# Altium PCB Mixed Signal Board Project.PcbDoc (part 1 of 3) (continued)
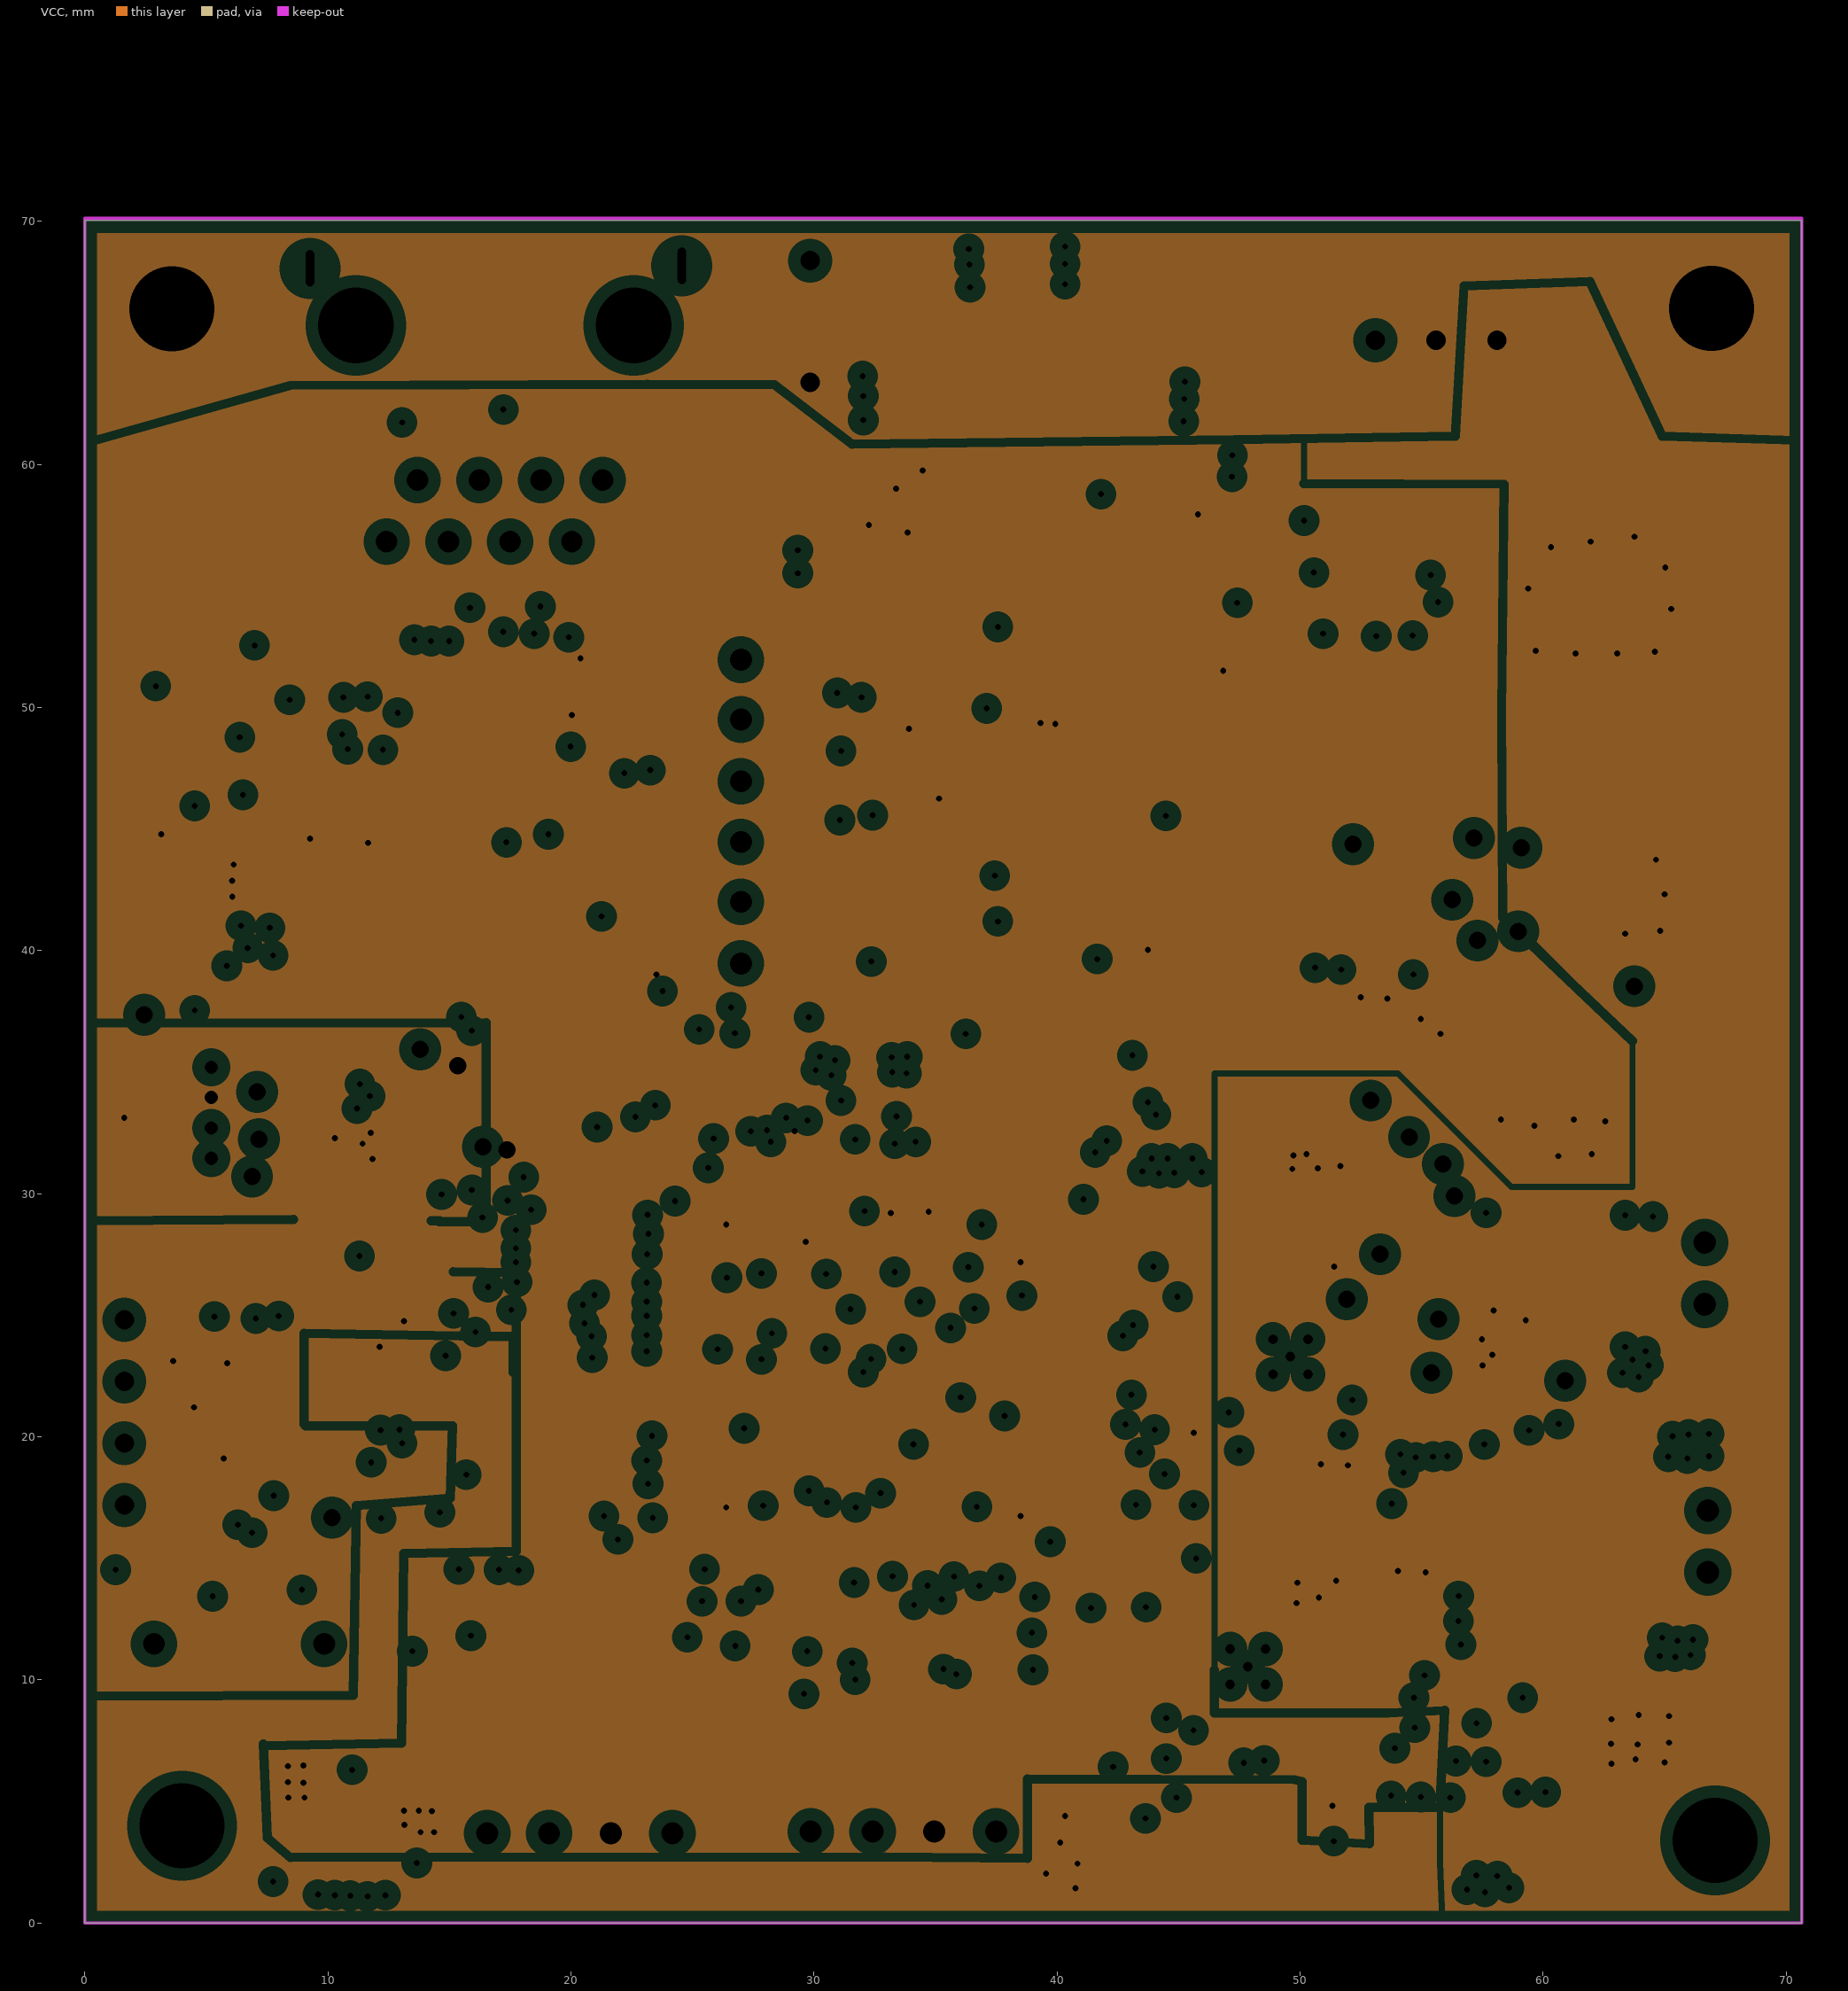
[diagram p3: VCC, clearances drawn from the general rule]
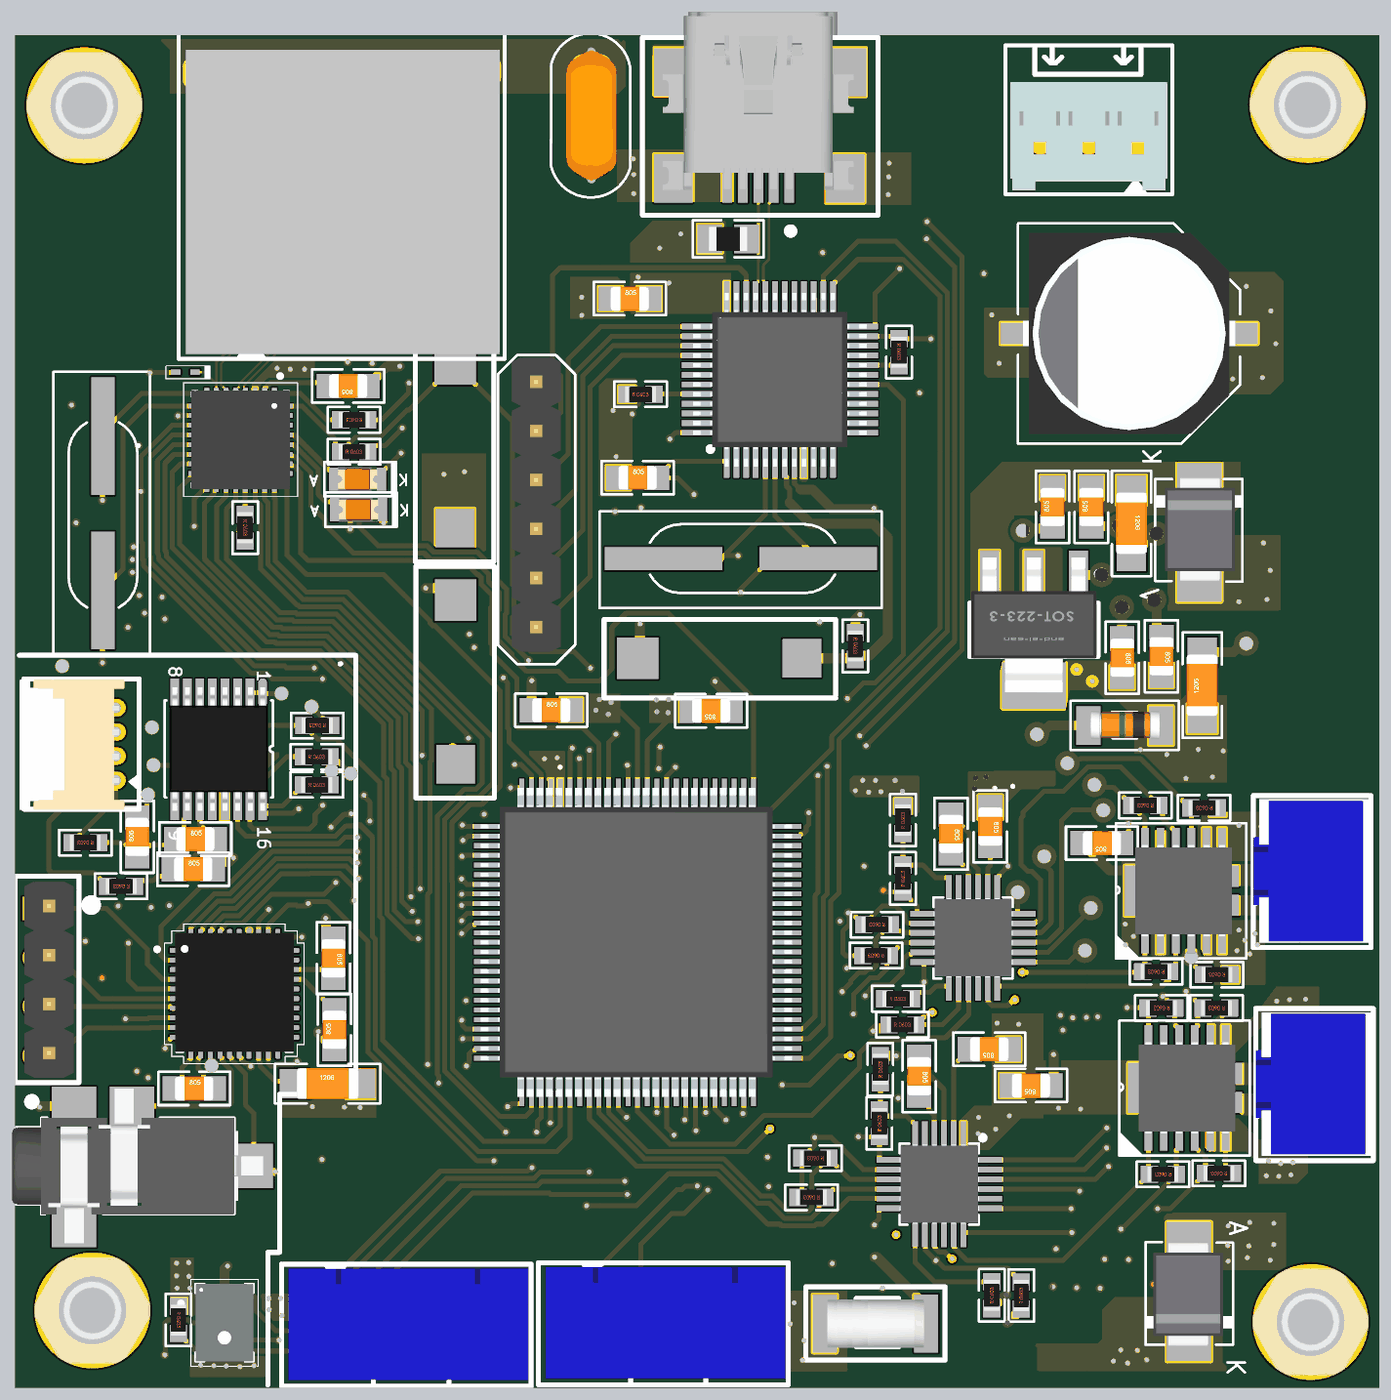
[diagram p6: 3D render of the assembled board from above, using the file's embedded part models]
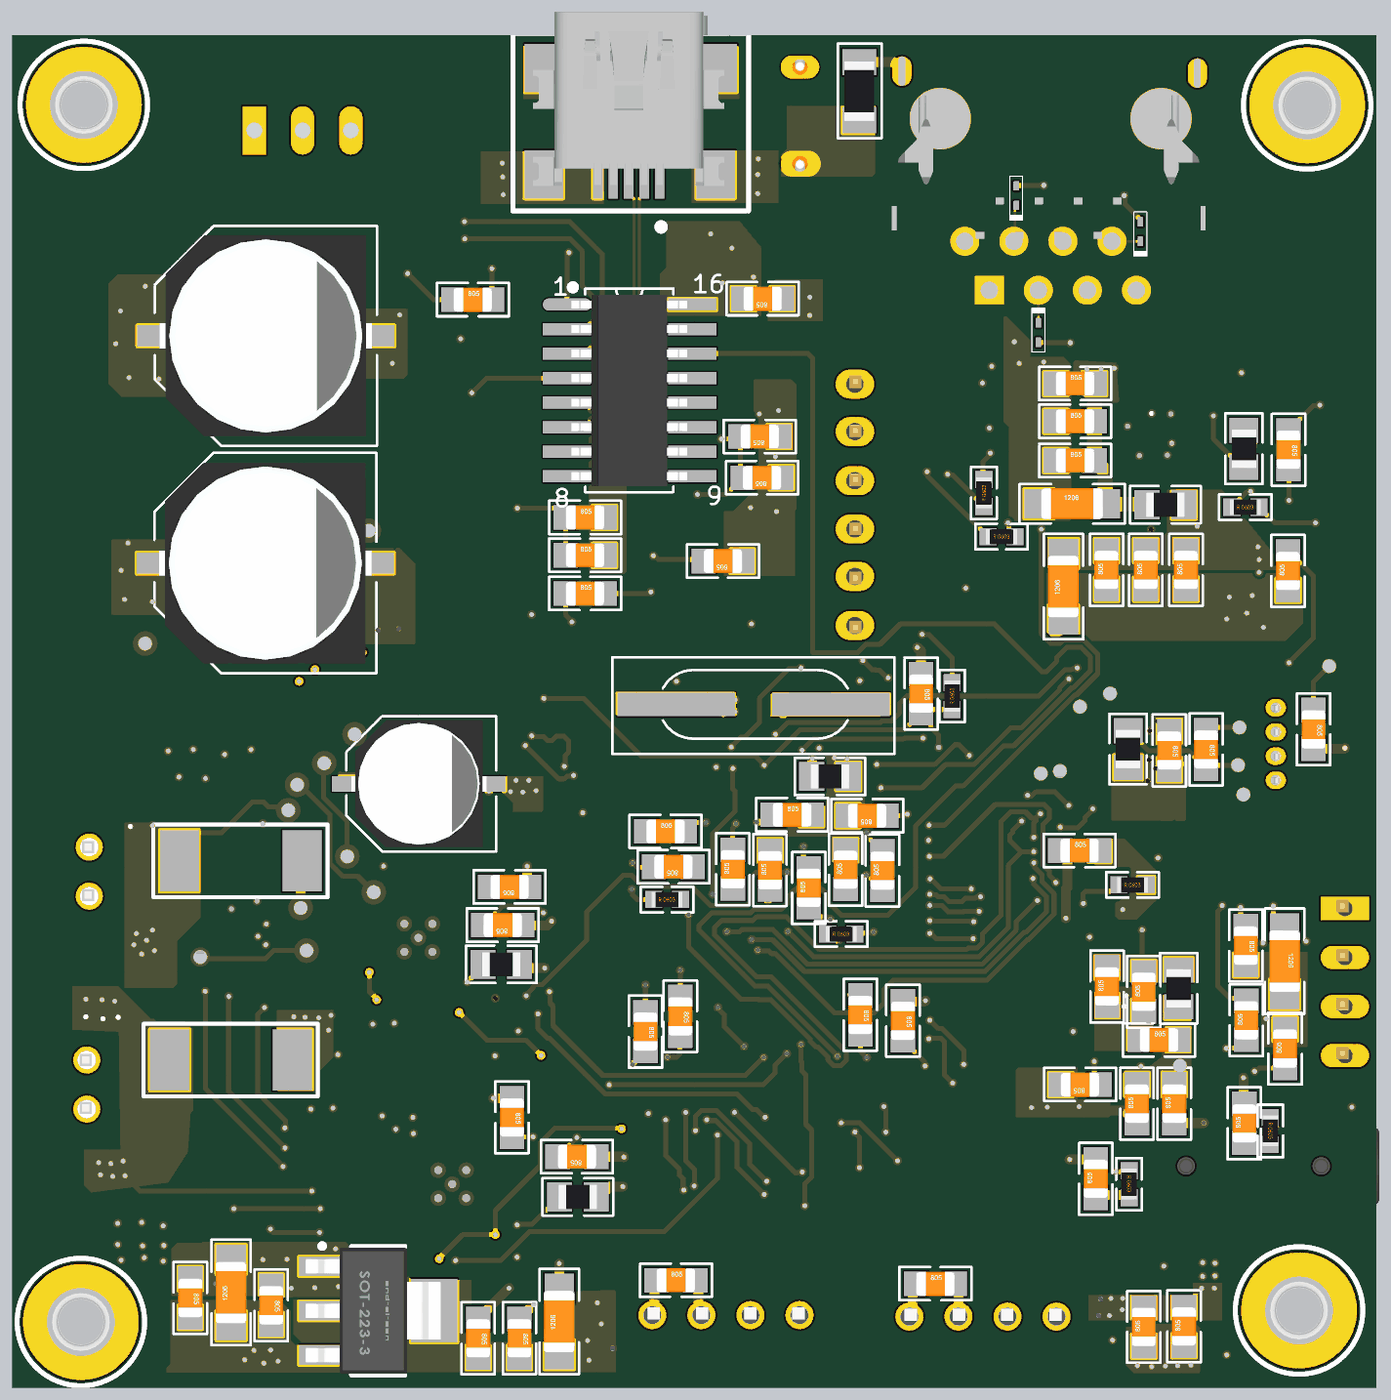
[diagram p7: 3D render of the assembled board from below, using the file's embedded part models]

## Layer stack, top to bottom
Top Solder: solder mask 0.01, Solder Resist, Dk 3.5
Top Layer: signal copper 0.035
Dielectric 2: prepreg 0.1, PP-006, Dk 4.1
GND: plane copper 0.0175, net GND
Dielectric 1: dielectric 1.26, FR-4, Dk 4.8
VCC: plane copper 0.0175, net (Multiple Nets)
Dielectric 3: prepreg 0.1, PP-006, Dk 4.1
Bottom Layer: signal copper 0.035
Bottom Solder: solder mask 0.01, Solder Resist, Dk 3.5

## Board outline
0,0 70.637,0 70.637,70.028 0,70.028

## Design rules (kind name [scope] priority, off if disabled: settings)
Clearance Clearance_1 [All] p1: gap=0.127 ignorepadtopadclearanceinfootprint=TRUE
Clearance [All] p2: gap=0.1 ignorepadtopadclearanceinfootprint=TRUE
DiffPairsRouting "DIFF 100" [InDifferentialPairClass('DIFF100')] p1: maxlimit=0.127 minlimit=0.127 mostfreqgap=0.127 toplayer_minwidth=0.116 toplayer_maxwidth=0.116 toplayer_prefwidth=0.116 bottomlayer_minwidth=0.116 bottomlayer_maxwidth=0.116 bottomlayer_prefwidth=0.116 impedanceprofiledriven=TRUE impedanceprofileid={8E188AD4-F0C9-4304-AB9A-86396AAAA18B} impedanceprofilevalue=100.000000 maxuncoupledlength=12.7
DiffPairsRouting "DIFF 90" [InDifferentialPairClass('DIFF90')] p2: maxlimit=0.127 minlimit=0.127 mostfreqgap=0.127 toplayer_minwidth=0.15 toplayer_maxwidth=0.15 toplayer_prefwidth=0.15 bottomlayer_minwidth=0.15 bottomlayer_maxwidth=0.15 bottomlayer_prefwidth=0.15 impedanceprofiledriven=TRUE impedanceprofileid={921CEA78-731C-4A8A-9886-5137F7471B4F} impedanceprofilevalue=90.000000 maxuncoupledlength=12.7
PlaneClearance [All] p1: clearance=0.508
PlaneConnect [All] p1: pad.planeconnectstyle=Direct pad.reliefexpansion=0.508 pad.reliefentries=4 pad.reliefconductorwidth=0.254 pad.reliefairgap=0.254 via.planeconnectstyle=Relief via.reliefexpansion=0.508 via.reliefentries=4 via.reliefconductorwidth=0.254 via.reliefairgap=0.254
PolygonConnect [All] p1: connectstyle=Direct reliefconductorwidth=0.254 reliefentries=4 polygonreliefangle="90 Angle" airgapwidth=0.254
RoutingVias [All] p1: holewidth=0.711 width=1.27 viastyle="Through Hole" minholewidth=0.25 minwidth=0.45 maxholewidth=0.711 maxwidth=1.27
SolderMaskExpansion [All] p1: expansion=0.102 istentingtop=FALSE
Width [All] p1: maxlimit=0.762 minlimit=0.1 preferedwidth=0.254
27 further rules are at their usual default settings.

## Classes and differential pairs
net class "Critical Nets": CH340_RST NetC32_1 NetC32_2 NetJ7_2 NetJ7_3 nFAULT nFAULT_2 NRST NTJRST_F407 PHY_RESET RESET SNSOUT SNSOUT_2 SO
net class OSC_Nets: NetC4_2 NetC6_2 NetC56_2 NetC57_2
differential pair class DIFF90: CH340USB_D USBD
differential pair class DIFF100: RD TD
net class 50OHM: +3V3 COL CRS INT MDC MDIO RX_CLK RX_D0 RX_D1 RX_D2 RX_D3 RX_DV RX_ER TX_CLK TX_D0 TX_D1 TX_D2 TX_D3 TX_EN
component class "[9] STM32F407 Controller": C54 C55 C56 C57 C58 C59 C60 C61 C62 C63 C64 C65 C66 C67 C68 C69 C70 C71 FB4 J8 J9 R34 R35 R36 SW3 U8 X2
component class "[3] STM32F103 Debugger": C1 C2 C3 C4 C5 C6 C7 C8 C9 J1 J2 R1 R2 R3 R4 SW1 U1 X1
component class "[11] Power Input and Regualtor": C78 C79 C80 C81 C82 C83 C84 C85 C86 C87 C88 C89 C90 C91 C92 D5 D6 D7 D8 J11 MH1 MH2 MH3 MH4 U10 U11
component class "[5] Motor Driver Schematic": C22 C23 C24 C25 C26 C27 J4 Q1 R13 R14 R15 R16 R17 R18 R19 R20 R21 R22 R23 R24 U3
component class "[10] Motor Driver-2": C72 C73 C74 C76 C77 J10 Q2 R37 R38 R39 R40 R41 R42 R43 R44 R45 R46 R47 R48 U9
component class "[4] Ethernet PHY": C10 C11 C12 C13 C14 C15 C16 C17 C18 C19 C20 C21 D1 D2 D3 D4 DS1 DS2 FB1 J3 R5 R6 R7 R8 R9 R10 R11 R12 SW2 U2 Y1
component class "[8] DAC and MIC": C35 C36 C37 C38 C39 C40 C41 C42 C43 C44 C45 C46 C47 C48 C49 C50 C51 C52 C53 FB3 J7 J12 R30 R31 R32 R33 U6 U7
component class "[6] CH340C": C28 J5 U4
component class "[7] ADC Chip": C29 C30 C31 C32 C33 C34 FB2 J6 R25 R26 R27 R28 R29 U5
differential pair USBD: +USBD_P -USBD_N
differential pair TD: +TD_P -TD_N
differential pair RD: +RD_P -RD_N
differential pair CH340USB_D: +CH340USB_D_P -CH340USB_D_N

## Components (designator, comment, footprint, x,y, rotation, side; value= is the part's Value field where it differs from the comment)
C1 "4.7uF" CAP_0805 31.928,49.251 r0 bottom
C2 "0.1uF" CAP_0805 31.81,47.117 r0 bottom
C3 "0.1uF" CAP_0805 32.233,47.117 r0 top
C4 "30pF" CAP_0805 33.833,42.799 r0 bottom
C5 "0.1uF" CAP_0805 31.826,56.388 r0 top
C6 "30pF" CAP_0805 40.97,41.123 r180 bottom
C7 "1uF" CAP_0805 40.97,45.06 r180 bottom
C8 "10nF" CAP_0805 40.97,43.104 r180 bottom
C9 "0.1uF" CAP_0805 46.787,56.337 r180 bottom
C10 "2nF" CAP_0805 17.247,51.867 r180 top
C11 "10uF" CAP_1206 15.751,45.771 r180 bottom
C12 "1uF" CAP_0805 15.596,48.006 r180 bottom
C13 "0.1uF" CAP_0805 15.596,50.038 r180 bottom
C14 "10nF" CAP_0805 15.596,51.994 r180 bottom
C15 "20pF" CAP_0805 4.547,48.565 r270 bottom
C16 "10uF" CAP_1206 16.205,41.478 r90 bottom
C17 "1uF" CAP_0805 13.97,42.345 r90 bottom
C18 "0.1uF" CAP_0805 11.938,42.345 r90 bottom
C19 "10nF" CAP_0805 9.855,42.345 r90 bottom
C20 "20pF" CAP_0805 4.572,42.291 r90 bottom
C21 "10nF" CAP_P196_102X287_H332_RAD_TH 29.845,63.377 r90 top
C22 "1uF" CAP_0805 50.495,29.058 r270 top
C23 "0.1uF" CAP_0805 48.463,28.677 r270 top
C24 "0.1uF" CAP_0805 56.277,28.194 r180 top
C25 "100uF" ACAP_P236_D305_H303_RAD 49.581,31.267 r180 bottom
C26 "1uF" CAP_0805 44.882,25.933 r0 bottom
C27 "1uF" CAP_0805 45.237,23.952 r0 bottom
C28 "0.1uF" CAP_0805 31.775,56.388 r0 bottom
C29 "0.1uF" CAP_0805 3.251,34.087 r270 bottom
C30 "0.1uF" CAP_0805 8.814,33.045 r270 bottom
C31 "0.1uF" CAP_0805 10.719,32.995 r270 bottom
C32 "0.1uF" CAP_0805 9.331,28.406 r0 top
C33 "10nF" CAP_0805 6.325,28.524 r90 top
C34 "10nF" CAP_0805 9.22,26.848 r0 top
C35 "0.1uF" CAP_0805 12.395,14.707 r90 bottom
C36 "1uF" CAP_0805 10.465,14.707 r90 bottom
C37 "0.1uF" CAP_0805 11.252,18.009 r180 bottom
C38 "22nF" CAP_0805 6.833,13.691 r90 bottom
C39 "1uF" CAP_0805 13.945,20.777 r90 bottom
C40 "0.1uF" CAP_0805 12.04,20.498 r90 bottom
C41 "22nF" CAP_0805 14.529,10.82 r90 bottom
C42 "1uF" CAP_0805 9.271,15.494 r0 top
C43 "1uF" CAP_0805 6.731,19.025 r90 bottom
C44 "0.1uF" CAP_0805 4.724,17.561 r90 bottom
C45 "10uF" CAP_1206 4.745,22.086 r270 bottom
C46 "0.1uF" CAP_0805 6.756,22.895 r270 bottom
C47 "0.1uF" CAP_0805 15.367,27.813 r180 bottom
C48 "150pF" CAP_0805 16.535,18.533 r90 top
C49 "150pF" CAP_0805 16.485,22.234 r270 top
C50 "1uF" CAP_0805 15.342,15.697 r0 bottom
C51 "10uF" CAP_1206 16.18,15.748 r0 top
C52 "0.1uF" CAP_0805 9.957,3.175 r90 bottom
C53 "1uF" CAP_0805 12.04,3.15 r90 bottom
C54 "0.1uF" CAP_0805 36.271,5.563 r180 bottom
C55 "0.1uF" CAP_0805 22.835,5.385 r180 bottom
C56 "30pF" CAP_0805 36.043,35.052 r180 top
C57 "30pF" CAP_0805 27.762,35.077 r0 top
C58 "0.1uF" CAP_0805 23.571,35.941 r270 bottom
C59 "4.7uF" CAP_0805 36.398,26.975 r0 bottom
C60 "0.1uF" CAP_0805 37.846,18.44 r270 bottom
C61 "0.1uF" CAP_0805 26.721,19.304 r270 bottom
C62 "0.1uF" CAP_0805 25.578,26.772 r90 bottom
C63 "0.1uF" CAP_0805 29.388,25.883 r90 bottom
C64 "0.1uF" CAP_0805 33.325,26.848 r90 bottom
C65 "2.2uF" CAP_0805 36.043,19.228 r270 bottom
C66 "2.2uF" CAP_0805 24.511,18.999 r270 bottom
C67 "0.1uF" CAP_0805 26.365,29.616 r0 bottom
C68 "0.1uF" CAP_0805 30.251,29.667 r180 bottom
C69 "0.1uF" CAP_0805 27.483,26.822 r90 bottom
C70 "0.1uF" CAP_0805 31.394,26.797 r90 bottom
C71 "0.1uF" CAP_0805 36.805,28.804 r180 bottom
C72 "1uF" CAP_0805 50.444,17.526 r180 top
C73 "0.1uF" CAP_0805 46.812,16.129 r270 top
C74 "0.1uF" CAP_0805 52.603,15.646 r180 top
C76 "1uF" CAP_0805 44.755,13.992 r270 bottom
C77 "1uF" CAP_0805 41.393,11.963 r0 bottom
C78 "100uF" ACAP_P305_D393_H393_RAD 57.506,54.458 r180 bottom
C79 "100uF" ACAP_P305_D393_H393_RAD 57.531,42.697 r180 bottom
C80 "100uF" ACAP_P305_D393_H393_RAD 57.683,54.585 r180 top
C81 "0.1uF" CAP_0805 57.328,37.795 r270 top
C82 "10uF" CAP_1206 61.468,36.373 r90 top
C83 "1uF" CAP_0805 59.36,37.871 r270 top
C84 "1uF" CAP_0805 53.721,45.602 r90 top
C85 "10uF" CAP_1206 57.81,44.755 r270 top
C86 "0.1uF" CAP_0805 55.728,45.602 r90 top
C87 "0.1uF" CAP_0805 46.507,2.562 r270 bottom
C88 "10uF" CAP_1206 42.316,3.429 r90 bottom
C89 "1uF" CAP_0805 44.374,2.562 r270 bottom
C90 "1uF" CAP_0805 61.417,4.648 r270 bottom
C91 "10uF" CAP_1206 59.309,4.928 r90 bottom
C92 "0.1uF" CAP_0805 57.226,4.267 r270 bottom
D1 "ESD3V3D9-TP" DIO_SOD-923 8.814,52.578 r180 top
D2 "ESD3V3D9-TP" DIO_SOD-923 12.217,59.868 r90 bottom
D3 "ESD3V3D9-TP" DIO_SOD-923 17.501,54.635 r270 bottom
D4 "ESD3V3D9-TP" DIO_SOD-923 18.644,61.722 r90 bottom
D5 "MBRS130LT3G" DIO_SMB_DO-214AA 61.316,44.298 r90 top
D6 "3.3V ZENER" DIO_SOD80C 57.455,34.29 r180 top
D7 "MBRS130LT3G" DIO_SMB_DO-214AA 60.782,4.978 r270 top
D8 "1.8V Zener" DIO_DO-213AB_SMD 44.552,3.327 r0 top
DS1 "RED LED" LED_0805 17.78,45.466 r180 top
DS2 "RED LED" LED_0805 17.729,47.041 r180 top
FB1 "1K" IND_0805 10.922,45.72 r180 bottom
FB2 "1K" IND_0805 12.852,33.071 r270 bottom
FB3 "1K" IND_0805 10.236,20.676 r90 bottom
FB4 "1K" IND_0805 28.296,31.648 r0 bottom
J1 "USB2.0 MINI B" CON_690-005-299-043 34.081,62.611 r270 top
J2 "Bergstrip 2.54mm" CON6_100_59D78_TH_ST 27,39.465 r90 top
J3 "RJ45 LAN" CON10_P106_RJ45_TH_ST 22.566,65.765 r180 top
J4 "B2B-XH-A(LF)(SN)" CON2_100_B2B-XH-A_TH_ST 66.65,25.451 r90 top
J5 "USB2.0 MINI B" CON_690-005-299-043 43.112,62.826 r270 bottom
J6 "1.25MM Spade 4PIN" CON4_50_653004117322_TH_RA 5.207,35.204 r90 top
J7 "4X1 STEREO" CON_SJ-2504A-SMT-TR_SMD 6.35,11.481 r0 top
J8 "B4B-XH-A(LF)(SN)" CON4_100_B4B-XH-A_TH_ST 16.561,3.683 r0 top
J9 "B4B-XH-A(LF)(SN)" CON4_100_B4B-XH-A_TH_ST 29.87,3.759 r0 top
J10 "B2B-XH-A(LF)(SN)" CON2_100_B2B-XH-A_TH_ST 66.777,14.427 r90 top
J11 "Terminal Block 2.5mm" CON3_100_TB_TH_ST 55.601,65.1 r270 top
J12 "4X1 BERG STRIP" CON4_100_40D72_TH_ST_MALE 1.626,24.816 r0 top
MH1 "Mounting Hole" MOUNTING 3.581,66.396 r180 bottom
MH2 "Mounting Hole" MOUNTING 4,4 r180 bottom
MH3 "Mounting Hole" MOUNTING 67.081,3.404 r180 bottom
MH4 "Mounting Hole" MOUNTING 66.929,66.421 r180 bottom
Q1 "DMHT6016LFJ-13" DFN5045-12_33_212_27X15_SMD_1 60.503,25.73 r0 top
Q2 "DMHT6016LFJ-13" DFN5045-12_33_212_27X15_SMD_1 60.681,15.519 r0 top
R1 "100K" RES_0603 32.385,51.435 r0 top
R2 "1.5K" RES_0805 36.921,59.487 r0 top
R3 "10K" RES_0603 43.51,38.405 r270 top
R4 "100K" RES_0603 45.771,53.619 r270 top
R5 "10K" RES_0603 17.555,48.463 r0 top
R6 "3K3" RES_0603 19.406,44.069 r180 bottom
R7 "3K3" RES_0603 20.32,46.33 r90 bottom
R8 "10K" RES_0603 17.555,50.114 r180 top
R9 "10K" RES_0603 11.913,44.526 r270 top
R10 "10K" RES_0603 6.782,45.593 r180 bottom
R11 "6.49K" RES_0805 6.858,48.616 r90 bottom
R12 "1M" RES_1206 26.772,67.132 r90 bottom
R13 "2K" RES_0603 45.974,26.365 r90 top
R14 "3K3" RES_0603 45.974,29.388 r90 top
R15 "10K" RES_0603 44.577,22.377 r180 top
R16 "10K" RES_0603 44.628,23.978 r180 top
R17 "10K" RES_0603 59.08,21.539 r180 top
R18 "33K" RES_0805 45.314,21.92 r180 bottom
R19 "10K" RES_0603 58.522,30.15 r180 top
R20 "10K" RES_0603 45.72,20.142 r0 top
R21 "10K" RES_0603 62.23,21.387 r180 top
R22 "10K" RES_0603 45.949,18.796 r0 top
R23 "50mOHM" RES_2512 58.801,27.28 r180 bottom
R24 "10K" RES_0603 61.57,30.023 r180 top
R25 "10K" RES_0603 15.621,31.217 r0 top
R26 "10K" RES_0603 15.621,32.664 r0 top
R27 "100K" RES_0603 15.646,34.29 r180 top
R28 "1K" RES_0603 5.486,25.959 r180 top
R29 "1K" RES_0603 3.632,28.219 r180 top
R30 "51.1R" RES_0603 5.486,13.297 r270 bottom
R31 "51.1R" RES_0603 12.802,10.541 r270 bottom
R32 "10K" RES_0603 12.624,26.035 r180 bottom
R33 "10K" RES_0603 8.458,3.505 r270 top
R34 "100K" RES_0603 27.711,23.495 r180 bottom
R35 "10K" RES_0603 21.971,35.814 r90 bottom
R36 "100K" RES_0603 36.728,25.273 r180 bottom
R37 "2K" RES_0603 44.755,13.691 r90 top
R38 "3K3" RES_0603 44.806,16.485 r90 top
R39 "10K" RES_0603 41.237,9.855 r180 top
R40 "10K" RES_0603 41.44,11.887 r180 top
R41 "10K" RES_0603 59.436,11.049 r180 top
R42 "33K" RES_0805 41.351,9.881 r180 bottom
R43 "10K" RES_0603 59.36,19.66 r180 top
R44 "10K" RES_0603 50.571,4.788 r90 top
R45 "10K" RES_0603 62.332,11.1 r180 top
R46 "10K" RES_0603 52.095,4.775 r90 top
R47 "50mOHM" RES_2512 59.309,16.967 r180 bottom
R48 "10K" RES_0603 62.205,19.66 r180 top
SW1 "TACTILE SWITCH" SW_342_SMD 40.742,37.77 r0 top